# Allegro board WeChat_ZM_PART_20200601.brd (continued)
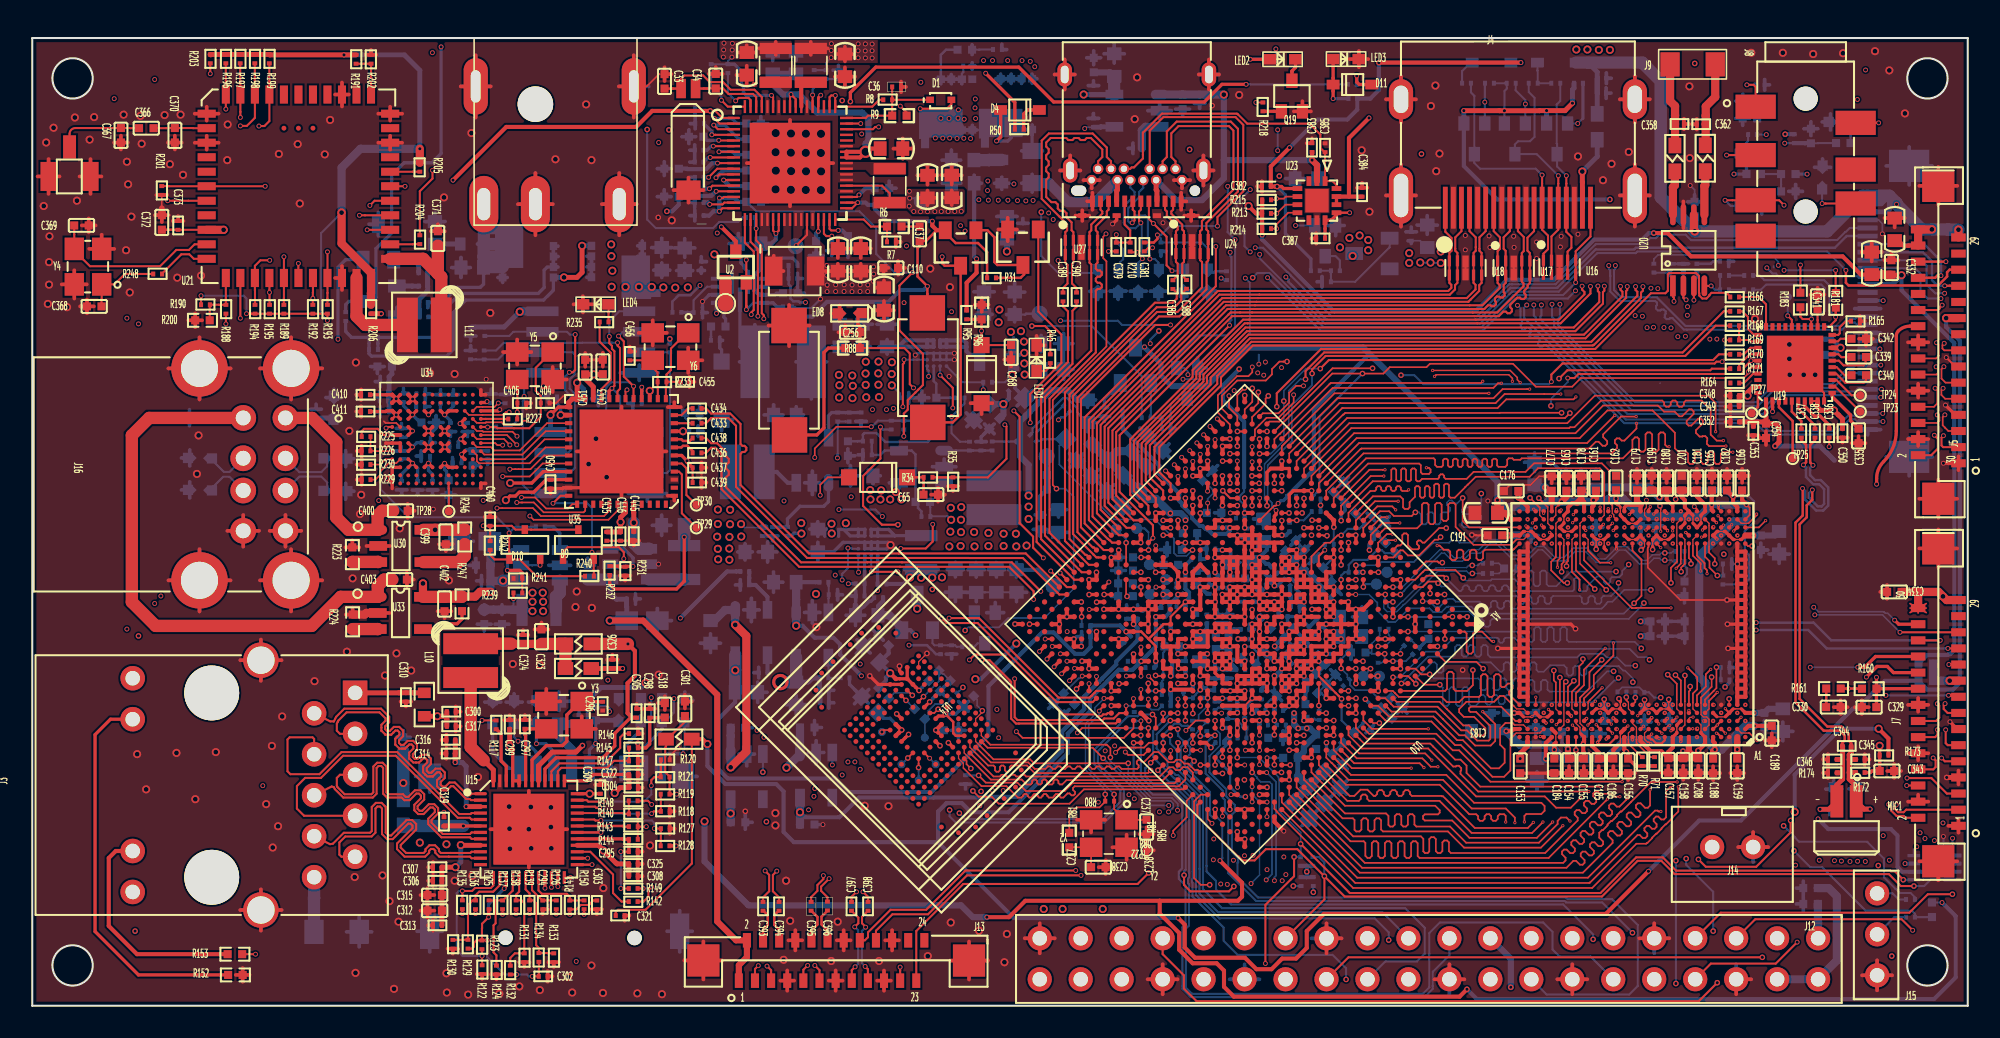
[diagram p0: board, top side]
## Routing (per net, layer and track width the routed paths; a pad name or vN(x,y) marks a point on that pad's centre or on a via; arc(x,y) is an arc through that point) (continued)
  SIG2 w0.229: 37.29,55.07 J1.5 ; J1.5 38.22,57 ; J1.5 36.37,57 ; 16.05,24.45 J16.H4 ; J16.H4 14.12,26.38 ; J16.H4 16.05,28.3 ; J16.H4 17.98,26.38 ; 12.1,29.45 J16.B4 ; J16.B4 13.08,30.42 ; J16.B4 13.08,28.47 ; J16.B4 14.06,29.45 ; J4.21 84.86,52.17 ; J4.21 85.79,50.24 ; J4.21 83.93,50.24 ; J4.21 84.86,48.31 ; 35.32,49.7 J1.3 ; J1.3 37.47,49.7 ; J1.3 36.39,51.63 ; J1.3 36.39,47.77 ; J16.H3 10.37,28.3 ; J16.H3 10.37,24.45 ; J16.H3 12.3,26.38 ; J16.H3 8.44,26.38 ; J14.2 106.69,10.77 ; J14.2 107.62,9.84 ; J14.2 106.69,8.91 ; 114.38,0.96 J15.1 ; J15.1 113.45,1.89 ; J15.1 115.31,1.89 ; 84.86,54.77 J4.22 ; J4.22 83.93,56.2 ; J4.22 84.86,57.63 ; J4.22 85.79,56.2 ; 69.16,1.64 J12.34 ; J12.34 71.01,1.64 ; J12.34 70.08,2.57 ; J12.39 63.39,4.18 ; J12.39 62.46,3.25 ; J12.39 61.54,4.18 ; J12.39 62.46,5.11 ; 71.28,50.69 J11.B12 ; J11.B12 70.78,51.19 ; J11.B12 71.78,51.19 ; J11.E1 73.58,57.74 ; J11.E1 72.32,57.74 ; J11.E1 72.95,56.81 ; J12.25 81.17,4.18 ; J12.25 79.32,4.18 ; J12.25 80.24,5.11 ; J12.14 95.48,2.57 ; J12.14 96.41,1.64 ; J12.14 94.56,1.64 ; J11.B1 66.18,51.19 ; J11.B1 65.68,50.69 ; J11.B1 65.18,51.19 ; J4.20 100.29,50.24 ; J4.20 99.36,52.17 ; J4.20 98.43,50.24 ; J4.20 99.36,48.31 ; 98.43,56.2 J4.23 ; J4.23 100.29,56.2 ; J4.23 99.36,57.63 ; 72.61,50.86 J11.E3 ; J11.E3 71.98,51.79 ; J11.E3 73.24,51.79 ; J11.E3 72.61,52.72 ; 14.18,20.15 J3.16 ; J3.16 12.9,21.43 ; J3.16 15.45,21.43 ; J16.H2 10.37,41.44 ; J16.H2 12.3,39.52 ; J16.H2 10.37,37.59 ; J16.H2 8.44,39.52 ; J11.E2 64.64,57.74 ; J11.E2 64.01,56.81 ; J11.E2 63.38,57.74 ; J1.6 28.42,57 ; J1.6 27.49,55.07 ; J1.6 26.57,57 ; 86.94,1.64 J12.20 ; J12.20 88.79,1.64 ; J12.20 87.86,2.57 ; J1.2 32.27,49.7 ; J1.2 31.19,47.77 ; J1.2 30.12,49.7 ; J1.2 31.19,51.63 ; J16.A4 16.68,29.45 ; J16.A4 15.7,30.42 ; J16.A4 14.72,29.45 ; J16.A4 15.7,28.47 ; 64.98,51.79 J11.E4 63.72,51.79 ; 14.12,39.52 J16.H1 ; J16.H1 16.05,37.59 ; J16.H1 17.98,39.52 ; J16.H1 16.05,41.44 ; J3.15 15.45,5.94 ; J3.15 14.18,7.21 ; J3.15 14.18,4.66 ; J3.15 12.9,5.94 ; J12.30 75.16,2.57 ; J12.30 74.24,1.64 ; J12.30 76.09,1.64
  GND w0.229: J14.2 107.62,9.84 ; J14.2 105.77,9.84 ; J14.2 106.69,8.91 ; J14.2 106.69,10.77 ; 12.1,29.45 J16.B4 ; J16.B4 14.06,29.45 ; J16.B4 13.08,28.47 ; J16.B4 13.08,30.42 ; J11.B12 71.78,51.19 ; J11.B12 71.28,50.69 ; J11.B12 70.78,51.19 ; 69.16,1.64 J12.34 ; J12.34 70.08,0.71 ; J12.34 71.01,1.64 ; J12.34 70.08,2.57 ; J4.21 85.79,50.24 ; J4.21 83.93,50.24 ; J4.21 84.86,52.17 ; J4.21 84.86,48.31 ; J12.9 100.56,5.11 ; J12.9 100.56,3.25 ; J12.9 101.49,4.18 ; J12.9 99.64,4.18 ; J11.E1 73.58,57.74 ; J11.E1 72.95,58.67 ; J11.E1 72.95,56.81 ; J11.E1 72.32,57.74 ; J12.20 87.86,2.57 ; J12.20 87.86,0.71 ; J12.20 86.94,1.64 ; J12.20 88.79,1.64 ; J1.5 38.22,57 ; J1.5 36.37,57 ; J1.5 37.29,58.93 ; J1.5 37.29,55.07 ; J16.H1 17.98,39.52 ; J16.H1 16.05,41.44 ; J16.H1 14.12,39.52 ; J16.H1 16.05,37.59 ; J12.25 81.17,4.18 ; J12.25 80.24,5.11 ; J12.25 79.32,4.18 ; J12.25 80.24,3.25 ; 99.36,54.77 J4.23 ; J4.23 100.29,56.2 ; J4.23 99.36,57.63 ; J4.23 98.43,56.2 ; J1.6 28.42,57 ; J1.6 27.49,55.07 ; J1.6 26.57,57 ; J1.6 27.49,58.93 ; 114.38,0.96 J15.1 ; J15.1 113.45,1.89 ; J15.1 115.31,1.89 ; J15.1 114.38,2.81 ; J1.2 32.27,49.7 ; J1.2 31.19,51.63 ; J1.2 30.12,49.7 ; J1.2 31.19,47.77 ; J12.6 105.64,2.57 ; J12.6 106.57,1.64 ; J12.6 105.64,0.71 ; 14.18,20.15 J3.16 ; J3.16 12.9,21.43 ; J3.16 15.45,21.43 ; J3.16 14.18,22.7 ; 95.48,0.71 J12.14 ; J12.14 94.56,1.64 ; J12.14 96.41,1.64 ; J12.14 95.48,2.57 ; J12.30 76.09,1.64 ; J12.30 75.16,0.71 ; J12.30 75.16,2.57 ; J12.30 74.24,1.64 ; 62.46,3.25 J12.39 ; J12.39 62.46,5.11 ; J12.39 61.54,4.18 ; J12.39 63.39,4.18 ; 65.18,51.19 J11.B1 ; J11.B1 66.18,51.19 ; J11.B1 65.68,50.69 ; 84.86,54.77 J4.22 ; J4.22 83.93,56.2 ; J4.22 85.79,56.2 ; J4.22 84.86,57.63 ; 71.98,51.79 J11.E3 ; J11.E3 72.61,52.72 ; J11.E3 72.61,50.86 ; J11.E3 73.24,51.79 ; J16.H4 17.98,26.38 ; J16.H4 14.12,26.38 ; J16.H4 16.05,24.45 ; J16.H4 16.05,28.3 ; 8.44,39.52 J16.H2 ; J16.H2 10.37,41.44 ; J16.H2 10.37,37.59 ; J16.H2 12.3,39.52 ; 35.32,49.7 J1.3 ; J1.3 36.39,51.63 ; J1.3 37.47,49.7 ; J1.3 36.39,47.77 ; J11.E2 64.64,57.74 ; J11.E2 64.01,58.67 ; J11.E2 64.01,56.81 ; J11.E2 63.38,57.74 ; J4.20 99.36,52.17 ; J4.20 100.29,50.24 ; J4.20 98.43,50.24 ; J4.20 99.36,48.31 ; 12.9,5.94 J3.15 ; J3.15 14.18,4.66 ; J3.15 15.45,5.94 ; J3.15 14.18,7.21 ; J16.A4 15.7,30.42 ; J16.A4 14.72,29.45 ; J16.A4 16.68,29.45 ; J16.A4 15.7,28.47 ; 8.44,26.38 J16.H3 ; J16.H3 12.3,26.38 ; J16.H3 10.37,28.3 ; J16.H3 10.37,24.45 ; J11.E4 64.35,52.72 ; J11.E4 64.98,51.79 ; J11.E4 63.72,51.79
  BOTTOM w0.102: v1(102.79,50.86) 103.06,50.59 103.06,50.28 ; 70.19,21.97 C97.2 ; J6.27 114.47,48.72 114.71,48.49 v1(114.71,47.86) ; 73.44,18.42 R100.1 ; C273.2 75.03,17.23 74.99,17.27 74.99,17.42 74.63,17.78 C286.2
  BOTTOM w0.127: C137.2 73.39,25.89 v2(73.33,25.96) ; R91.2 R93.2 67.34,26.51 67.33,26.5 R92.2 67.33,25.7 67.33,25.7 R94.2 ; C273.2 75.28,16.61 ; v2(71.05,26.42) 70.88,26.25 70.88,25.97 C261.2 ; R73.2 v2(105.72,27.39) ; C243.2 70.03,20.11 70.12,20.2 C262.2 C257.2 70.12,21.89 70.19,21.97 ; 76.39,30.18 C133.2 ; C222.2 80.26,26.94 80.27,26.94 80.61,26.6 ; C222.2 80.26,27.38 80.27,27.38 v2(80.69,27.8) 80.69,28.6 R78.2 ; C222.2 79.71,27.49 79.68,27.49 C221.2 ; v1(118.49,10.5) 118.49,9.89 118.01,9.4 118.01,9.12 118.32,8.81 U29.2 ; R108.2 72.87,33.51 v2(72.87,33.77) ; C229.2 79.49,17.8 79.57,17.72 R77.2 ; C112.2 75.21,21.09 75.17,21.12 v2(75.17,21.36) 75.17,21.6 75,21.77 74.98,21.77 ; 65.38,36.16 64.94,36.61 64.94,36.66 64.79,36.81 64.79,37.05 64.16,37.67 63.91,37.67 62.02,35.78 62.02,35.55 R110.2 ; C259.2 71.99,23.69 v2(71.95,23.66) ; 77.06,19.16 77.06,19.57 77.01,19.62 v2(77.01,20.45) ; 76.46,18.33 76.46,18.65 76.79,18.98 76.94,18.98 C228.2 ; 78.56,28.62 78.56,28.43 v2(78.39,28.25) ; 78.56,28.62 C219.2 ; 78.56,28.62 78.56,28.62 C220.2 ; C119.2 v1(76.56,15.37) ; 77.47,20.66 v2(77.47,20.9) ; C40.2 59.04,25.63 59.05,25.63 C47.2 C48.2 ; C285.2 77.63,18.3 v2(77.93,18.6) ; C247.2 77.71,16.98 v2(77.93,16.76) ; 73.35,18.32 73.52,18.49 73.8,18.49 73.86,18.42 C272.2 74.24,18.24 74.12,18.11 C286.2 ; 80.69,28.81 80.69,29.66 v2(80.7,29.67) ; C241.2 71.37,19.25 71.55,19.08 C271.2 71.96,19.11 72.13,19.28 72.13,19.31 v2(72.41,19.59) ; C107.2 72.96,24.12 v2(73.33,24.12) ; C226.2 81.57,21.9 ; C102.2 C101.2 ; C284.2 72.65,26.97 72.75,26.86 72.78,26.86 72.95,26.69 C279.2 ; C140.2 78.58,24.77 v2(78.85,25.04) ; v1(48.87,43.82) 48.31,43.26 47.36,43.26 47.29,43.33 C81.2 47.1,43.3 ; v2(80.23,19.06) 79.91,19.38 C230.2 C231.2 80.46,20.16 80.46,20.19 C232.2
  BOTTOM w0.152: U8.C2 U8.C3 ; U8.C2 U8.C1 54.86,40.46 v1(54.75,40.34) ; U8.C2 U8.B2 U8.B3 ; U8.C3 U8.C4 ; U8.C3 U8.B3 ; U8.C4 U8.B4 ; U8.C4 v1(57.17,40.46) ; U8.B4 U8.B3 ; U8.B4 v1(57.17,40.06) ; v2(77.93,21.36) 78.08,21.21 C235.2
  BOTTOM w0.203: v2(55.64,18.84) 55.83,19.03 55.83,19.06 56.25,19.47 ; C135.2 76.76,26.29 v2(77.01,26.04) 77.2,26.04 C142.2 77.62,26.46 78.1,26.46 78.36,26.19 78.36,25.8 78.38,25.8 78.58,25.6 C141.2 ; U9.10 41.97,44.08 v1(41.55,43.66) 41.55,43.31 ; 68.78,24.55 68.82,24.58 v2(69.2,24.58) 69.47,24.58 69.56,24.67 69.66,24.67 ; C67.2 C68.2 ; v2(75.18,28.71) 75.31,28.84 ; v5(48.62,23.47) 48.36,23.73 U5.2 ; v2(74.25,26.88) 74.25,26.6 74.29,26.56 C98.2 ; C90.2 52.2,25.28 52,25.08 51.91,25.08 51.56,24.73 51.51,24.73 51.04,24.26 ; C279.2 72.95,26.34 72.97,26.32 C283.2 73.2,26.09 v2(73.33,25.96) ; C113.2 60.93,38.29 61.06,38.16 ; R20.2 50.67,19.92 51.01,19.58 ; U3.C2 U3.C3 ; U3.C2 U3.C1 50.27,28.73 49.69,28.15 C38.2 ; U3.C2 U3.B2 U3.B3 ; U3.C3 U3.C4 ; U3.C3 U3.B3 ; v2(72.41,28.71) 72.22,28.91 72.22,29.28 R107.2 ; R113.2 73.79,30.63 v2(73.79,31.01) ; 101.66,22.91 102.1,22.91 102.1,22.92 ; 78.85,22.79 C99.2 78.82,22.74 C126.2 ; v2(77.47,20.9) 77.21,20.65 77.21,20.65 v2(77.01,20.45) ; U3.B3 U3.B4 ; R100.1 73.35,18.32 ; v2(73.08,16.01) 73.36,16.29 C248.2 73.35,16.3 ; U3.C4 53.05,28.73 v5(53.21,28.56) 52.97,28.32 52.43,28.32 U3.B4 ; U3.C4 U3.B4 ; 101.66,23.83 102.02,23.83 ; C44.2 45.65,29.13 C45.2 ; 70,19.92 C243.2 70.03,19.65 70.03,19.65 C244.2 ; U9.2 44.37,45.51 44.15,45.74 44.15,45.85 ; 75.28,16.61 C277.2 ; 93.77,33.7 94.23,33.7 C200.2 ; C234.2 78.62,21.82 78.56,21.88 ; C267.2 75.2,18.38 75.39,18.58 75.39,18.76 75.63,19 C121.2 75.86,19.02 75.89,18.99 C123.2 ; 25.04,35.81 24.86,35.64 v1(24.57,35.64) ; 70.37,27.92 70.14,27.7 C282.2 ; C170.2 93.51,16.97 C205.2 ; v2(56.62,18.08) 57.25,18.08 57.41,18.25 ; 76.46,18.33 C124.2 ; v2(72.87,20.9) 72.45,21.33 C100.2 ; 73.74,20.3 73.68,20.3 ; 33.29,18.88 33.6,18.88 33.6,18.88 33.89,18.59 C252.2 ; 44.21,11.8 v2(44.21,12.06) ; C223.2 80.54,26.1 v2(80.69,25.96) ; 59.03,35.46 58.83,35.26 C56.2 ; C246.2 v1(49.02,11.23) ; 96.52,32.83 96.47,32.83 ; U36.2 v1(38.83,27.38) ; C233.2 79.13,22.27 79.12,22.28 v2(78.85,22.28) ; v2(77.01,21.36) 76.97,21.36 76.81,21.52 ; 44.13,45.87 43.94,46.06 43.94,46.46 43.78,46.63 ; 95.61,32.83 95.53,32.83
  BOTTOM w0.229: C424.2 25.86,35.01 ; C424.2 25.86,34.35 ; C424.2 25.56,34.68 ; 25.38,31.68 C418.2 ; C418.2 25.81,32.11 ; C418.2 25.81,31.25 ; C418.2 26.24,31.68 ; C355.2 109.76,50.49 ; C355.2 109.33,50.07 ; C355.2 109.33,50.92 ; C355.2 108.9,50.49 ; 14.12,26.38 J16.H4 ; J16.H4 17.98,26.38 ; J16.H4 16.05,24.45 ; J16.H4 16.05,28.3 ; 92.51,33.7 C175.2 ; C175.2 93.77,33.7 ; C175.2 93.14,34.28 ; C175.2 93.14,33.12 ; C422.2 27.31,35.59 ; C422.2 26.98,35.29 ; C422.2 26.65,35.59 ; 46.73,18.67 C51.2 ; C51.2 47.36,18.09 ; C51.2 47.98,18.67 ; C51.2 47.36,19.24 ; C293.2 52.76,22.66 ; C293.2 52.76,23.27 ; C293.2 52.16,23.27 ; C293.2 52.16,22.66 ; 105.18,45.83 R184.1 105.48,46.16 ; 105.62,55.02 C356.1 ; C356.1 106.04,55.44 ; C356.1 106.04,54.59 ; C356.1 106.47,55.02 ; 40.34,13.24 J2.10 ; J2.10 40.34,15.19 ; J2.10 41.22,14.22 ; Q5.2 23.34,42.72 ; Q5.2 22.61,43.3 ; Q5.2 22.61,42.15 ; C118.2 79.61,12.05 ; C118.2 78.76,12.02 ; C118.2 79.58,11.2 ; C118.2 78.72,11.16 ; 44.75,50.82 C20.2 ; C20.2 45.18,50.39 ; C20.2 45.18,51.25 ; C20.2 45.61,50.82 ; 68.24,52.83 R211.2 ; R211.2 67.94,53.16 ; R211.2 68.24,53.49 ; 102.45,23.4 C187.2 ; C187.2 102.02,23.83 ; C187.2 102.45,24.26 ; C311.1 21.04,4.58 ; C311.1 20.27,5.51 ; C311.1 19.49,4.58 ; C311.1 20.27,3.65 ; 72.5,28.33 C287.2 ; C287.2 72.8,28 ; C287.2 72.8,28.65 ; J16.H1 17.98,39.52 ; J16.H1 16.05,41.44 ; J16.H1 14.12,39.52 ; J16.H1 16.05,37.59 ; U4.2 48.84,32.42 ; U4.2 47.89,32.42 ; U4.2 48.37,31.7 ; U4.2 48.37,33.15 ; R244.2 27.18,40.93 ; R244.2 26.85,40.63 ; R244.2 27.5,40.63 ; 67.52,24.55 R82.2 ; R82.2 68.18,24.55 ; R82.2 67.85,24.85 ; C161.2 96.95,33.26 ; C161.2 97.38,32.83 ; C161.2 96.52,32.83 ; C412.2 21.57,39.03 ; C412.2 21.57,38.37 ; C412.2 21.27,38.7 ; 72.38,55.64 C377.2 ; C377.2 72.7,55.94 ; C377.2 72.05,55.94 ; R1.2 50.31,58 ; R1.2 49.98,58.31 ; R1.2 49.66,58 ; C77.2 54.34,38.02 ; C77.2 54.65,37.69 ; C77.2 54.34,37.36 ; 64.01,56.81 J11.E2 ; J11.E2 64.64,57.74 ; J11.E2 64.01,58.67 ; J11.E2 63.38,57.74 ; C115.2 74.39,20.3 ; C115.2 74.07,20 ; C115.2 73.74,20.3 ; 48.6,14.97 U12.2 ; U12.2 49.08,15.7 ; U12.2 48.12,15.7 ; U12.2 48.6,16.43 ; 37.23,37.02 R234.2 ; R234.2 36.93,37.35 ; R234.2 37.23,37.67 ; ED11.2 111,52.5 ; ED11.2 110.5,51.99 ; ED11.2 111.5,51.99 ; ED21.2 70.31,44.31 ; ED21.2 69.32,44.31 ; ED21.2 69.82,43.79 ; 31.68,37.75 C447.2 ; C447.2 31.98,38.08 ; C447.2 31.98,37.42 ; ED5.2 31.76,18.83 ; ED5.2 31.26,19.34 ; ED5.2 30.77,18.83 ; C216.2 81.53,14.66 ; C216.2 81.53,15.27 ; C216.2 80.93,14.66 ; C216.2 80.93,15.27 ; 9.23,36.46 ED15.2 ; ED15.2 9.75,36.95 ; ED15.2 9.75,35.96 ; 49.39,19.23 C50.2 ; C50.2 49.39,19.89 ; C50.2 49.69,19.56 ; R89.2 64.28,18.37 ; R89.2 63.68,18.37 ; R89.2 63.68,17.76 ; 64.31,34.24 C145.2 ; C145.2 65.2,33.36 ; C145.2 64.35,33.39 ; C145.2 65.17,34.21 ; 22.58,31.98 C432.2 ; C432.2 22.9,31.68 ; C432.2 23.23,31.98 ; 57.43,18.26 C289.1 ; C289.1 57.43,18.87 ; C289.1 58.04,18.87 ; C289.1 58.04,18.26 ; C203.2 101.32,33.29 ; C203.2 100.89,32.86 ; C203.2 101.75,32.86 ; C203.2 101.32,32.43 ; 66.47,36.23 C92.2 ; C92.2 66.8,36.53 ; C92.2 66.14,36.53 ; C245.2 48.93,17.25 ; C245.2 48.5,16.82 ; C245.2 48.5,17.68 ; 70.08,0.71 J12.34 ; J12.34 70.08,2.57 ; J12.34 69.16,1.64 ; 45.59,27.51 C43.2 ; C43.2 45.02,28.14 ; C43.2 46.17,28.14 ; C43.2 45.59,28.77 ; C116.2 80.57,13.01 ; C116.2 79.72,12.97 ; C116.2 79.68,12.12 ; C116.2 80.53,12.16 ; 108.53,16.43 C167.2 ; C167.2 108.53,17.59 ; C167.2 107.91,17.01 ; C167.2 109.16,17.01 ; C292.2 51.95,21.87 ; C292.2 51.13,22.69 ; C292.2 51.1,21.84 ; C292.2 51.98,22.72 ; C375.2 65.8,57.35 ; C375.2 65.47,57.05 ; C375.2 66.13,57.05 ; 83.93,56.2 J4.22 ; J4.22 84.86,54.77 ; J4.22 84.86,57.63 ; J4.22 85.79,56.2 ; J16.H2 10.37,41.44 ; J16.H2 10.37,37.59 ; J16.H2 8.44,39.52 ; J16.H2 12.3,39.52 ; 73.03,20.3 C111.2 ; C111.2 73.68,20.3 ; C111.2 73.36,20 ; 8.44,26.38 J16.H3 ; J16.H3 10.37,28.3 ; J16.H3 12.3,26.38 ; J16.H3 10.37,24.45 ; C171.2 97.89,17.67 ; C171.2 97.03,17.67 ; C171.2 97.46,18.1 ; C94.2 70.89,35.77 ; C94.2 70.58,35.44 ; C94.2 70.58,36.1 ; 40.14,3.34 J2.11 ; J2.11 40.92,4.62 ; J2.11 40.14,5.89 ; J2.11 39.36,4.62 ; 96.69,16.87 C206.2 ; C206.2 97.12,16.44 ; C206.2 97.54,16.87 ; C347.2 110.24,40.78 ; C347.2 110.67,40.35 ; C347.2 109.81,40.35 ; C347.2 110.24,39.93 ; C425.2 24.11,34.41 ; C425.2 23.81,34.08 ; C425.2 24.11,33.75 ; 27.51,26.88 C457.2 ; C457.2 27.08,27.31 ; C457.2 27.51,27.73 ; R90.2 63.61,19.04 ; R90.2 63.61,18.43 ; R90.2 63.01,18.43 ; R90.2 63.01,19.04 ; 105.37,27.72 R73.2 105.37,27.06 ; 107.23,49.09 ED13.2 ; ED13.2 107.74,49.59 ; ED13.2 107.23,50.08 ; 21.46,47.73 Q6.3 ; Q6.3 21.46,49.19 ; Q6.3 20.88,48.46 ; J2.6 36.17,14.72 ; J2.6 35.64,15.69 ; J2.6 35.64,13.74 ; J2.6 35.11,14.72 ; D3.1 43.42,36.34 ; D3.1 42.74,37.01 ; D3.1 42.74,35.66 ; D3.1 42.06,36.34 ; 45.18,51.36 C30.2 ; C30.2 44.75,51.79 ; C30.2 45.61,51.79 ; C30.2 45.18,52.22 ; 44.2,16.81 C253.2 ; C253.2 44.63,17.24 ; C253.2 44.2,17.67 ; C135.2 77.06,26.12 ; C135.2 76.46,26.73 ; C135.2 76.46,26.12 ; C135.2 77.06,26.73 ; C426.2 22.89,36.1 ; C426.2 22.57,35.8 ; C426.2 23.22,35.8 ; C423.2 26.25,35.6 ; C423.2 25.6,35.6 ; C423.2 25.92,35.29 ; C376.2 78.87,51.29 ; C376.2 78.29,50.66 ; C376.2 77.72,51.29 ; C376.2 78.29,51.92 ; C214.2 81.61,32.8 ; C214.2 81,32.8 ; C214.2 81,32.19 ; C214.2 81.61,32.19 ; 26,45.77 C70.2 ; C70.2 26.58,45.14 ; C70.2 27.16,45.77 ; C70.2 26.58,46.4 ; 59.18,24.37 Q13.2 ; Q13.2 60.23,24.37 ; Q13.2 59.71,25 ; 72.81,19.71 C250.2 72.51,20.03 ; 47.45,44.6 C80.2 47.87,44.18 ; J1.6 27.49,58.93 ; J1.6 28.42,57 ; J1.6 27.49,55.07 ; J1.6 26.57,57 ; J1.5 38.22,57 ; J1.5 37.29,55.07 ; J1.5 36.37,57 ; J1.5 37.29,58.93 ; U38.4 38.81,39.25 ; U38.4 36.45,39.25 ; U38.4 37.63,39.72 ; U38.4 37.63,38.77 ; J11.E1 72.95,58.67 ; J11.E1 72.32,57.74 ; J11.E1 73.58,57.74 ; 103.3,14.02 C207.2 ; C207.2 103.3,14.87 ; C207.2 103.73,14.45 ; C207.2 102.87,14.45 ; 24.35,37.48 C416.2 24.66,37.15 ; R85.1 58.19,13.75 ; R85.1 57.53,13.75 ; R85.1 57.86,13.44 ; 79.16,27.41 C221.2 79.76,28.01 ; C380.2 71.75,55.59 ; C380.2 71.32,55.16 ; C380.2 70.9,55.59 ; C79.2 41.86,42.98 ; C79.2 41.55,43.31 ; C79.2 41.55,42.65 ; C146.2 70.47,34.84 ; C146.2 70.51,33.99 ; C146.2 69.62,34.88 ; 57.24,25.06 C39.2 ; C39.2 57.87,25.64 ; C39.2 56.61,25.64 ; 74.98,29.04 C275.2 75.64,29.04 ; 70.62,22.28 C97.2 70.19,22.71 ; C82.2 47.75,45.09 ; C82.2 47.44,44.76 ; C82.2 47.44,45.42 ; 28.06,18.83 ED7.2 ; ED7.2 29.05,18.83 ; ED7.2 28.55,19.34 ; 71.28,50.69 J11.B12 ; J11.B12 70.78,51.19 ; J11.B12 71.78,51.19 ; C95.2 59.64,35.46 ; C95.2 59.03,36.07 ; C95.2 59.03,35.46 ; C95.2 59.64,36.07 ; C442.2 27.35,28.8 ; C442.2 26.47,28.05 ; C442.2 26.47,29.55 ; C442.2 25.59,28.8 ; C89.2 51.62,24.21 ; C89.2 51.04,23.58 ; C89.2 50.46,24.21 ; C327.2 97.9,57.51 ; C327.2 97.59,57.84 ; C327.2 97.59,57.18 ; C408.2 25.04,36.59 ; C408.2 25.46,36.17 ; C408.2 25.04,35.81 ; C408.2 24.61,36.17 ; 107.17,27.83 C192.2 ; C192.2 107.17,28.68 ; C192.2 107.6,28.26 ; R228.2 29.32,38.2 ; R228.2 28.99,37.9 ; R228.2 29.65,37.9 ; 41.08,50.98 C21.1 40.78,50.66 ; 100.66,29.33 C197.2 ; C197.2 101.09,29.76 ; C197.2 100.23,29.76 ; 55.81,33.42 U6.2 ; U6.2 56.54,33.9 ; U6.2 57.27,33.42 ; 63.37,39.45 C68.2 ; C68.2 64.53,39.45 ; C68.2 63.95,38.83 ; 67.32,43.8 ED24.2 ; ED24.2 67.82,44.31 ; ED24.2 66.82,44.31 ; 39.18,51.47 C32.2 ; C32.2 39.61,51.9 ; C32.2 39.18,52.33 ; C32.2 38.76,51.9 ; C195.2 93.35,29.16 ; C195.2 92.5,29.16 ; C195.2 92.92,29.59 ; C195.2 92.92,28.74 ; 73.28,19.89 C122.2 72.98,19.56 ; 79.66,44.89 C88.2 ; C88.2 79.96,45.21 ; C88.2 79.96,44.56 ; ED19.2 19.43,32.4 ; ED19.2 19.94,31.9 ; ED19.2 19.43,31.4 ; 44.3,14.88 U13.2 ; U13.2 43.82,15.6 ; U13.2 44.3,16.33 ; U13.2 44.78,15.6 ; C23.1 41.1,55.8 ; C23.1 41.1,55.15 ; C23.1 40.79,55.48 ; 32.66,18.3 C251.2 ; C251.2 32.03,18.88 ; C251.2 33.29,18.88 ; C251.2 32.66,19.45 ; C218.2 82.44,24.74 ; C218.2 83.02,24.11 ; C218.2 81.86,24.11 ; C18.1 41.1,55.03 ; C18.1 41.1,54.37 ; C18.1 40.8,54.7 ; 102.44,24.98 C150.1 ; C150.1 102.44,25.83 ; C150.1 102.01,25.41 ; C453.2 39.6,29.79 ; C453.2 39.02,30.42 ; C453.2 38.44,29.79 ; C453.2 39.02,29.16 ; 102.36,14.02 C158.2 ; C158.2 102.36,14.87 ; C158.2 102.79,14.45 ; C158.2 101.93,14.45 ; C461.2 27.51,41.53 ; C461.2 26.85,41.53 ; C461.2 27.18,41.22 ; C128.2 77.8,21.54 ; C128.2 77.82,21.99 ; C128.2 77.36,21.52 ; 109.85,54.38 C359.2 ; C359.2 110.27,54.81 ; C359.2 110.7,54.38 ; C359.2 110.27,53.95 ; 59.15,34.98 C56.2 58.5,34.98 ; 95.61,32.83 C198.2 ; C198.2 96.47,32.83 ; C198.2 96.04,33.26 ; 76.81,21.52 C239.2 76.2,22.13 ; 86.49,47.83 C86.2 ; C86.2 87.11,48.41 ; C86.2 85.86,48.41 ; C86.2 86.49,48.98 ; 102.45,23.34 C164.2 102.45,22.49 ; C449.1 35.1,38.05 ; C449.1 35.1,37.2 ; C449.1 34.67,37.63 ; C63.2 59.01,44.84 ; C63.2 58.38,44.27 ; C63.2 59.64,44.27 ; C63.2 59.01,43.69 ; 68.68,35.82 C144.2 69.57,34.93 ; 71.38,43.81 ED26.2 ; ED26.2 70.88,44.33 ; ED26.2 71.88,44.33 ; 79.94,20.25 C231.2 80.54,19.64 ; 90.06,18.17 C168.2 ; C168.2 90.92,18.17 ; C168.2 90.49,17.74 ; C169.2 107.82,17.26 ; C169.2 107.39,17.69 ; C169.2 107.39,16.83 ; 34.01,27.32 C452.2 ; C452.2 34.44,27.75 ; C452.2 34.87,27.32 ; C143.2 68.05,30.49 ; C143.2 67.16,31.37 ; C143.2 67.19,30.52 ; C143.2 68.01,31.34 ; J1.3 36.39,51.63 ; J1.3 35.32,49.7 ; J1.3 36.39,47.77 ; J1.3 37.47,49.7 ; 27.3,33.06 C417.2 ; C417.2 27.73,33.49 ; C417.2 27.3,33.92 ; C58.2 51,34.1 ; C58.2 50.57,34.53 ; C58.2 50.57,33.67 ; ED10.2 111.69,13.95 ; ED10.2 111.2,13.44 ; ED10.2 112.19,13.44 ; 87.86,0.71 J12.20 ; J12.20 87.86,2.57 ; J12.20 88.79,1.64 ; 72.71,27.69 C281.2 72.41,28.02 ; 48.7,27.58 C38.2 ; C38.2 48.7,28.73 ; C38.2 48.08,28.15 ; 109.8,6.87 C392.1 ; C392.1 109.38,7.3 ; C392.1 109.8,7.72 ; C212.2 84.15,30.33 ; C212.2 83.54,29.73 ; C212.2 84.15,29.73 ; C212.2 83.54,30.33 ; C93.2 57.33,21.8 ; C93.2 57,21.5 ; C93.2 56.67,21.8 ; C378.2 65.81,59.2 ; C378.2 65.81,58.35 ; C378.2 65.38,58.77 ; C378.2 66.24,58.77 ; J15.1 114.38,2.81 ; J15.1 114.38,0.96 ; J15.1 113.45,1.89 ; J15.1 115.31,1.89 ; J4.23 99.36,57.63 ; J4.23 100.29,56.2 ; J4.23 98.43,56.2 ; J4.23 99.36,54.77 ; R91.2 67.34,28.23 ; R91.2 67.77,27.8 ; R91.2 66.91,27.8 ; 45.18,54.28 C24.2 ; C24.2 45.61,54.71 ; C24.2 44.75,54.71 ; C24.2 45.18,55.13 ; 77.96,21.88 C126.2 ; C126.2 78.56,21.88 ; C126.2 77.96,22.48 ; C406.2 28.45,38.24 ; C406.2 28.78,37.93 ; C406.2 28.12,37.93 ; 99.95,17.17 C174.2 ; C174.2 99.52,17.6 ; C174.2 100.38,17.6 ; C174.2 99.95,18.02 ; 27.91,33.86 C419.2 ; C419.2 28.57,33.86 ; C419.2 28.24,33.56 ; 96.95,29.23 C172.2 ; C172.2 96.95,30.09 ; C172.2 96.52,29.66 ; C172.2 97.38,29.66 ; 50.7,42.25 C76.2 50.07,42.83 ; 78.6,27.98 C220.2 79.2,28.58 ; 45.04,20.32 C61.2 ; C61.2 45.04,20.98 ; C61.2 44.74,20.65 ; 84.64,18.14 C210.2 ; C210.2 85.24,18.14 ; C210.2 85.24,18.75 ; C210.2 84.64,18.75 ; 40.77,53.05 C35.1 ; C35.1 41.07,52.72 ; C35.1 41.07,53.38 ; C78.2 24.96,49.2 ; C78.2 24.34,48.62 ; C78.2 24.96,48.04 ; C78.2 25.59,48.62 ; 48.6,46.09 C14.2 ; C14.2 48.6,46.94 ; C14.2 49.03,46.51 ; C14.2 48.17,46.51 ; C200.2 95.53,32.83 ; C200.2 95.1,32.41 ; C200.2 95.1,33.26 ; C200.2 94.67,32.83 ; C170.2 93.65,17.27 ; C170.2 92.79,17.27 ; C170.2 93.22,16.84 ; C170.2 93.22,17.69 ; C72.2 39.66,47.01 ; C72.2 38.4,47.01 ; C72.2 39.03,46.43 ; C72.2 39.03,47.59 ; 43.6,26.09 R30.2 ; R30.2 43.9,25.76 ; R30.2 43.9,26.42 ; 41.37,36.34 C454.2 ; C454.2 41.8,36.77 ; C454.2 41.37,37.2 ; C454.2 40.95,36.77 ; 111.49,54.3 ED14.2 ; ED14.2 110.98,54.8 ; ED14.2 111.49,55.3 ; 33.39,27.31 U39.2 32.03,27.31 ; 50.98,18.73 C290.2 ; C290.2 51.87,19.61 ; C290.2 51.01,19.58 ; C290.2 51.83,18.76 ; 49.39,18.46 C52.2 ; C52.2 49.69,18.78 ; C52.2 49.39,19.11 ; D6.1 62.02,38.16 ; D6.1 61.06,37.2 ; D6.1 61.06,38.16 ; 69.99,24.97 C270.2 69.66,24.67 ; 63.37,41.06 C67.2 ; C67.2 64.53,41.06 ; C67.2 63.95,41.68 ; 43.78,46.63 C3.1 ; C3.1 43.78,47.88 ; C3.1 44.36,47.26 ; C3.1 43.2,47.26 ; 62.06,29.53 C55.2 ; C55.2 62.48,29.11 ; C55.2 62.91,29.53 ; 66.25,31.49 C132.2 ; C132.2 66.22,32.34 ; C132.2 67.11,31.45 ; C132.2 67.07,32.3 ; 40.96,18.94 ED1.2 40.46,19.46 ; C421.2 26.44,37.89 ; C421.2 25.78,37.89 ; C421.2 26.11,38.19 ; 52.37,42.26 C62.2 ; C62.2 53.63,42.26 ; C62.2 53,42.83 ; U5.2 48.84,24.38 ; U5.2 48.36,25.11 ; U5.2 47.88,24.38 ; 28.02,23.23 C459.2 ; C459.2 28.45,23.66 ; C459.2 27.59,23.66 ; 80.64,13.08 C117.2 ; C117.2 80.67,13.93 ; C117.2 81.52,13.97 ; C117.2 81.49,13.11 ; C428.2 22.86,34.71 ; C428.2 22.53,34.4 ; C428.2 23.18,34.4 ; ED20.2 19.94,33.92 ; ED20.2 19.43,34.41 ; ED20.2 19.43,33.42 ; 45.96,25.64 C49.2 ; C49.2 45.96,26.89 ; C49.2 45.38,26.26 ; C49.2 46.54,26.26 ; J11.E4 64.35,52.72 ; J11.E4 64.98,51.79 ; J11.E4 63.72,51.79 ; 53.1,49.67 C13.1 52.8,50 ; C194.2 101.9,17.67 ; C194.2 101.47,17.24 ; C194.2 101.05,17.67 ; C194.2 101.47,18.1 ; J16.A4 16.68,29.45 ; J16.A4 15.7,28.47 ; J16.A4 15.7,30.42 ; J16.A4 14.72,29.45 ; 114.6,43.22 J6.16 112.99,43.22 ; 38.75,50.17 C22.2 ; C22.2 39.61,50.17 ; C22.2 39.18,50.59 ; C22.2 39.18,49.74 ; C413.2 21.54,38.1 ; C413.2 21.24,37.77 ; C413.2 21.54,37.44 ; C152.2 93.92,13.94 ; C152.2 93.29,14.51 ; C152.2 92.67,13.94 ; C152.2 93.29,13.36 ; U37.4 39.31,31.76 ; U37.4 38.14,32.24 ; U37.4 36.96,31.76 ; U37.4 38.14,31.28 ; 51.05,25.08 C46.2 ; C46.2 51.05,25.73 ; C46.2 50.75,25.41 ; 80.21,23.76 C129.2 80.19,23.31 ; C441.2 39.64,23.88 ; C441.2 38.76,23.13 ; C441.2 38.76,24.63 ; C441.2 37.88,23.88 ; ED9.2 113.63,13.45 ; ED9.2 112.64,13.45 ; ED9.2 113.13,13.96 ; C16.2 51,46.81 ; C16.2 50.57,47.24 ; C16.2 50.57,46.39 ; C16.2 50.15,46.81 ; J2.13 24.64,15.19 ; J2.13 25.52,14.22 ; J2.13 23.76,14.22 ; J2.13 24.64,13.24 ; 44.75,53.73 C17.2 ; C17.2 45.18,53.31 ; C17.2 45.61,53.73 ; C17.2 45.18,54.16 ; 73.46,24.56 C104.2 73.78,24.26 ; 81.14,25.94 C224.2 81.15,25.5 ; J12.25 80.24,5.11 ; J12.25 79.32,4.18 ; J12.25 81.17,4.18 ; C19.2 41.14,53.88 ; C19.2 40.28,53.88 ; C19.2 40.71,53.45 ; C19.2 40.71,54.31 ; 116.37,32.86 J6.32 ; J6.32 116.37,35.21 ; J6.32 114.94,34.03 ; J6.32 117.8,34.03 ; 65.18,51.19 J11.B1 ; J11.B1 66.18,51.19 ; J11.B1 65.68,50.69 ; 99.36,48.31 J4.20 ; J4.20 100.29,50.24 ; J4.20 98.43,50.24 ; J4.20 99.36,52.17 ; C328.1 97.88,56.59 ; C328.1 97.58,56.26 ; C328.1 97.58,56.91 ; C87.2 85.5,48.28 ; C87.2 85.82,47.98 ; C87.2 85.17,47.98 ; C364.2 103.49,49.85 ; C364.2 102.64,49.85 ; C364.2 103.06,50.28 ; 66.9,25.39 R94.2 67.33,24.96 ; C60.2 45.56,19.43 ; C60.2 44.98,20.06 ; C60.2 44.98,18.81 ; C60.2 44.4,19.43 ; C196.2 101.23,23.34 ; C196.2 101.23,22.49 ; C196.2 101.66,22.91 ; C196.2 100.8,22.91 ; 105.64,2.57 J12.6 106.57,1.64 ; ED25.2 66.55,44.3 ; ED25.2 66.06,43.78 ; ED25.2 65.56,44.3 ; 46.73,59.18 C1.1 ; C1.1 47.98,59.18 ; C1.1 47.35,58.6 ; C15.1 49.9,46.81 ; C15.1 49.24,46.81 ; C15.1 49.57,46.51 ; 72.87,43.81 ED23.2 ; ED23.2 72.37,44.33 ; ED23.2 73.36,44.33 ; J12.14 96.41,1.64 ; J12.14 95.48,2.57 ; J12.14 94.56,1.64 ; 73.79,24.26 C103.2 ; C103.2 74.12,24.56 ; C103.2 74.45,24.26 ; C73.2 41.08,46.98 ; C73.2 39.82,46.98 ; C73.2 40.45,47.56 ; C73.2 40.45,46.4 ; 55.98,19.21 C288.1 ; C288.1 56.59,19.81 ; C288.1 56.59,19.21 ; 77.82,23.81 C139.2 78.12,24.14 ; C448.2 41.58,35.62 ; C448.2 41.28,35.95 ; C448.2 41.28,35.29 ; 9.77,33.47 ED17.2 ; ED17.2 9.25,33.97 ; ED17.2 9.77,34.46 ; 56.42,50.99 C83.2 ; C83.2 57,51.62 ; C83.2 57,50.37 ; C83.2 57.58,50.99 ; 75.71,30.18 C133.2 76.34,29.61 ; 65.47,55.02 R212.2 ; R212.2 65.79,55.32 ; R212.2 66.12,55.02 ; C217.2 83.14,16.94 ; C217.2 83.15,17.39 ; C217.2 82.69,16.93 ; 81.76,21.47 C149.1 81.76,22.33 ; C431.2 25.14,31.98 ; C431.2 24.49,31.98 ; C431.2 24.81,31.67 ; 77.47,18.9 C228.2 76.86,19.51 ; 57.41,16.65 C291.2 ; C291.2 56.99,17.07 ; C291.2 57.41,17.5 ; C291.2 57.84,17.07 ; 26.06,33.99 C430.2 26.06,33.33 ; 60.28,44.25 C64.2 ; C64.2 61.54,44.25 ; C64.2 60.91,43.67 ; C64.2 60.91,44.83 ; C458.2 29.55,23.66 ; C458.2 29.12,23.23 ; C458.2 28.7,23.66 ; 99.74,29.33 C193.2 ; C193.2 100.16,29.76 ; C193.2 99.31,29.76 ; C59.2 42.05,23.06 ; C59.2 41.42,22.48 ; C59.2 42.05,21.9 ; C59.2 42.68,22.48 ; 116.37,50.89 J6.31 ; J6.31 117.8,52.07 ; J6.31 114.94,52.07 ; J6.31 116.37,53.25 ; 41.48,46.44 C74.2 41.81,46.14 ; 58.53,25.05 C40.2 57.9,25.63 ; 112.99,41.72 J6.13 114.6,41.72 ; C215.2 83.21,30.51 ; C215.2 82.77,30.53 ; C215.2 83.23,30.07 ; 65.29,32.43 C147.2 ; C147.2 66.11,33.24 ; C147.2 66.14,32.39 ; C147.2 65.25,33.28 ; 29.38,18.83 ED6.2 ; ED6.2 29.87,19.34 ; ED6.2 30.37,18.83 ; C31.1 41.08,49.32 ; C31.1 40.78,48.99 ; C31.1 41.08,48.66 ; 49.93,25.15 R17.2 ; R17.2 49.93,25.81 ; R17.2 50.23,25.48 ; C41.2 45.96,37.26 ; C41.2 45.39,36.63 ; C41.2 46.54,36.63 ; C41.2 45.96,36.01 ; 109.38,6.32 C391.1 ; C391.1 109.8,5.89 ; C391.1 109.8,6.74 ; 68.07,44.31 ED22.2 ; ED22.2 68.57,43.79 ; ED22.2 69.07,44.31 ; 107.23,52.31 ED12.2 ; ED12.2 107.23,53.31 ; ED12.2 107.74,52.81 ; R113.2 73.73,30.99 ; R113.2 73.3,30.56 ; R113.2 73.73,30.13 ; 65.06,22.55 C260.2 ; C260.2 64.76,22.88 ; C260.2 65.06,23.21 ; C75.2 52.1,42.26 ; C75.2 51.47,42.84 ; C75.2 50.84,42.26 ; 107.41,56.77 R186.2 ; R186.2 107.41,57.43 ; R186.2 107.71,57.1 ; 102.69,46 C360.1 102.04,46 ; J11.E3 72.61,52.72 ; J11.E3 71.98,51.79 ; J11.E3 73.24,51.79 ; J11.E3 72.61,50.86 ; 61.02,25.06 C48.2 61.65,25.63 ; C108.2 58.8,35.87 ; C108.2 57.91,36.76 ; C108.2 57.95,35.91 ; C108.2 58.77,36.72 ; U7.2 45.06,24.54 ; U7.2 44.11,24.54 ; U7.2 44.59,23.81 ; U7.2 44.59,25.27 ; C320.2 23.01,17.07 ; C320.2 23.43,16.64 ; C320.2 22.58,16.64 ; 45.9,28.82 C45.2 46.23,29.13 ; C53.2 50.73,33.49 ; C53.2 51.3,32.86 ; C53.2 50.73,32.23 ; C53.2 50.15,32.86 ; J2.12 25.42,4.62 ; J2.12 24.64,5.89 ; J2.12 23.86,4.62 ; J2.12 24.64,3.34 ; 21.4,39.2 C409.2 ; C409.2 21.82,39.63 ; C409.2 20.97,39.63 ; C12.2 53.13,51.12 ; C12.2 53.56,50.69 ; C12.2 52.7,50.69 ; C12.2 53.13,50.26 ; 105.63,56.09 R176.1 ; R176.1 106.05,55.66 ; R176.1 106.05,56.52 ; R176.1 106.48,56.09 ; 80.28,48.38 Q12.2 ; Q12.2 80.81,49 ; Q12.2 80.81,47.75 ; Q12.2 81.34,48.38 ; J12.30 75.16,2.57 ; J12.30 74.24,1.64 ; J12.30 76.09,1.64 ; U22.2 69.9,55.97 ; U22.2 70.63,55.5 ; U22.2 69.9,55.02 ; U22.2 69.17,55.5 ; 101.86,46 C357.1 101.2,46 ; 51.06,36.23 R14.2 ; R14.2 51.71,36.23 ; R14.2 51.38,35.93 ; C125.2 61.05,48.94 ; C125.2 59.8,48.94 ; C125.2 60.43,48.36 ; 70.37,27.92 R111.2 ; R111.2 69.94,28.28 ; R111.2 70.37,28.7 ; C54.2 64.25,29.35 ; C54.2 63.63,28.78 ; C54.2 63,29.35 ; C401.2 17.92,36.99 ; C401.2 17.6,37.29 ; C401.2 17.27,36.99 ; C414.2 24.37,38.27 ; C414.2 24.37,37.62 ; C414.2 24.67,37.94 ; 44.75,49.85 C26.2 ; C26.2 45.61,49.85 ; C26.2 45.18,50.27 ; J3.16 14.18,22.7 ; J3.16 12.9,21.43 ; J3.16 14.18,20.15 ; J3.16 15.45,21.43 ; C415.2 21.57,37.15 ; C415.2 21.27,36.83 ; C415.2 21.57,36.5 ; 45.28,59.18 C2.1 ; C2.1 46.54,59.18 ; C2.1 45.91,58.6 ; C440.2 37.4,25.55 ; C440.2 37.4,24.89 ; C440.2 37.7,25.22 ; C66.2 55.16,38.12 ; C66.2 54.73,37.7 ; C66.2 55.58,37.7 ; C66.2 55.16,37.27 ; 71.5,21.67 C255.2 71.18,21.37 ; 41.07,49.48 C25.1 40.77,49.81 ; 70.14,27.77 70.14,27.7 ; 44.75,52.76 C28.2 ; C28.2 45.61,52.76 ; C28.2 45.18,52.33 ; C28.2 45.18,53.19 ; 78.64,29.14 C219.2 78.04,28.54 ; J16.B4 13.08,30.42 ; J16.B4 14.06,29.45 ; J16.B4 12.1,29.45 ; J16.B4 13.08,28.47 ; 67.47,22.76 C263.2 67.49,22.31 ; 75.77,23.34 C105.2 75.47,23.66 ; C420.2 25.64,37.89 ; C420.2 25.31,38.19 ; C420.2 24.99,37.89 ; J14.2 106.69,10.77 ; J14.2 106.69,8.91 ; J14.2 107.62,9.84 ; J14.2 105.77,9.84 ; 73.49,33.49 R108.2 72.89,32.89 ; 61.54,4.18 J12.39 ; J12.39 62.46,3.25 ; J12.39 63.39,4.18 ; C114.2 74.98,21.77 ; C114.2 75.28,21.44 ; C114.2 74.98,21.11 ; J4.21 84.86,52.17 ; J4.21 85.79,50.24 ; J4.21 84.86,48.31 ; J4.21 83.93,50.24 ; 78.58,24.42 C140.2 78.88,24.75 ; C134.2 74.88,27.49 ; C134.2 74.3,28.12 ; C134.2 73.72,27.49 ; 9.25,31.98 ED18.2 ; ED18.2 9.77,31.49 ; ED18.2 9.77,32.48 ; 79.77,22.89 C130.2 79.33,22.87 ; 60.12,59.61 R51.2 60.42,59.29 ; J1.2 31.19,51.63 ; J1.2 32.27,49.7 ; J1.2 30.12,49.7 ; 23.57,31.97 C427.2 ; C427.2 24.22,31.97 ; C427.2 23.89,31.67 ; 100.8,23.83 C173.2 ; C173.2 101.23,23.4 ; C173.2 101.66,23.83 ; C173.2 101.23,24.26 ; 23.02,38.27 C429.2 23.34,37.97 ; 18.21,37.71 ED16.2 ; ED16.2 19.2,37.71 ; ED16.2 18.7,38.22 ; 66.06,36.16 C91.2 65.43,35.58 ; 51.2,34.15 R28.2 ; R28.2 51.5,33.83 ; R28.2 51.5,34.48 ; C407.2 24.69,35.24 ; C407.2 24.69,34.58 ; C407.2 24.99,34.91 ; 41.07,52.63 C27.1 40.77,52.31 ; 80.5,20.83 C232.2 81.1,20.22 ; 110.3,41.33 C351.2 110.6,41 ; C131.2 61.75,48.51 ; C131.2 61.09,48.51 ; C131.2 61.42,48.82 ; 113.79,35.4 J6.1 ; J6.1 112.99,35.72 ; J6.1 114.6,35.72 ; 67.08,58.45 C374.2 ; C374.2 67.08,59.6 ; C374.2 66.45,59.02 ; C374.2 67.71,59.02 ; 70.3,46.78 R209.2 69.98,46.47 ; C254.2 44.64,11.37 ; C254.2 44.21,10.95 ; C254.2 44.21,11.8 ; 79.12,22.46 C99.2 78.52,23.06 ; 74.86,25.05 C138.2 75.16,24.72 ; 108.31,27.43 C190.2 ; C190.2 107.68,28.01 ; C190.2 108.31,28.59 ; C190.2 108.93,28.01 ; C85.2 56.98,53.06 ; C85.2 56.41,52.43 ; C85.2 56.98,51.8 ; C85.2 57.56,52.43 ; 12.9,5.94 J3.15 ; J3.15 14.18,7.21 ; J3.15 15.45,5.94 ; J3.15 14.18,4.66 ; 27.55,26.35 C444.2 ; C444.2 27.85,26.02 ; C444.2 27.85,26.67 ; R67.2 105.53,20.97 ; R67.2 105.23,21.3 ; R67.2 105.23,20.64 ; 100.56,3.25 J12.9 ; J12.9 101.49,4.18 ; J12.9 100.56,5.11 ; 72.25,40.17 Q14.2 72.78,39.54 ; 77.44,20.72 C106.2 76.98,20.25 ; 66.91,26.99 R93.2 67.77,26.99 ; R112.2 77.54,17.04 ; R112.2 77.54,16.19 ; R112.2 77.97,16.62 ; 68.2,24.55 C242.2 68.53,24.85 ; 24.83,43.61 R40.2 24.53,43.28 ; 41.08,51.03 C29.1 40.78,51.36
  BOTTOM w0.254: C250.2 72.51,19.68 v2(72.41,19.59) ; C263.2 67.57,22.53 v2(67.36,22.74) ; C213.2 v2(82.5,26.88) ; v10(91.8,26.83) 92.08,27.11 C148.1
  BOTTOM w0.356: 102.1,22.92 C164.2 ; 51.04,24.26 51.04,24.84 ; 68.78,24.55 68.86,24.55 ; 75.31,28.84 C275.2 ; 65.38,36.16 C91.2 ; 81.57,21.9 C149.1
  vias: v1(21.92,34.68) v1(24.87,30.79) v1(28.14,38.84) v1(31.7,38.44) v1(44.75,57.13) v1(56.85,39.02) v1(70.1,48.54) v1(88.85,47.76) v1(88.85,46.87) v1(90.25,31.3) v1(90.32,47.73) v1(90.37,47.02) v1(91.85,47.71) v1(91.87,47.02) v1(93.27,47.35) v1(93.27,46.33) v1(94.74,47.05) v1(94.79,47.71) v1(95.83,47.83) v2(38.81,48.87) v2(73.15,55.81) v2(88.69,20.81) v5(0.71,49.59) v5(0.86,53.52) v5(1.04,46.11) v5(1.04,44.71) v5(0.97,43.52) v5(1.07,47.71) v5(1.32,54.44) v5(2.16,43.31) v5(2.64,55.07) v5(2.77,49.92) v5(3.56,53.7) v5(3.84,55.1) v5(5.66,55.25) v5(5.82,46.84) v5(5.87,52.33) v5(5.94,50.93) v5(6.05,44.23) v5(6.15,48.93) v5(6.5,15.6) v5(6.71,55.17) v5(6.78,53.45) v5(7.06,13.42) v5(8.2,55.22) v5(8.53,52.18) v5(8.94,15.68) v5(8.99,45.14) v5(9.19,55.25) v5(9.35,51.52) v5(10.11,12.81) v5(10.21,32.97) v5(10.31,35.36) v5(10.46,45.27) v5(11.38,15.73) v5(12.12,54.64) v5(12.09,52.43) v5(14.5,12.5) v5(14.86,16.11) v5(14.91,9.81) v5(15.24,11.13) v5(15.29,52.81) v5(15.49,17.94) v5(16.46,53.42) v5(16.59,49.74) v5(17.5,20.12) v5(18.14,52.79) v5(18.47,54.92) v5(19.51,21.95) v5(19.66,35.64) v5(19.86,26.5) v5(19.99,7.98) v5(20.04,2.04) v5(20.07,39.88) v5(20.32,30.49) v5(20.4,31.68) v5(21.72,8.08) v5(21.87,20.48) v5(22.15,6.48) v5(22.43,1.05) v5(22.58,21.85) v5(22.71,5.21) v5(22.78,29.6) v5(23.5,20.78) v5(24.03,10.11) v5(24.66,39.22) v5(25.53,50.12) v5(25.68,10.01) v5(25.68,2.01) v5(25.7,0.82) v5(25.83,26.37) v5(26.19,39.17) v5(26.19,7.75) v5(27.03,0.69) v5(27.23,54.11) v5(27.28,8.06) v5(27.64,14.18) v5(28.4,42.96) v5(28.96,0.74) v5(29.57,12.35) v5(29.59,10.98) v5(29.62,9.73) v5(29.79,21.19) v5(30.2,1.2) v5(30.91,12.32) v5(30.94,9.76) v5(31.47,21.14) v5(31.47,0.97) v5(32.16,12.3) v5(32.16,11.08) v5(32.18,9.76) v5(32.44,52.48) v5(33.22,1.78) v5(33.48,0.82) v5(33.68,24.72) v5(33.76,25.68) v5(34.34,55.89) v5(34.49,33.58) v5(34.67,52.43) v5(34.7,24.67) v5(34.67,2.49) v5(34.95,35.16) v5(35.41,7.3) v5(35.38,0.79) v5(35.61,32.77) v5(37.52,0.77) v5(38.3,9.94) v5(38.84,20.53) v5(39.04,0.72) v5(39.65,48.7) v5(46.08,11.94) v5(46.08,11.18) v5(46.58,2.85) v5(46.74,7.75) v5(46.99,5.26) v5(49.53,2.77) v5(49.94,5.21) v5(51.61,12.4) v5(52.5,2.77) v5(53.09,12.38) v5(55.52,3.08) v5(55.68,45.7) v5(56.9,44.56) v5(56.95,5.16) v5(58.7,4.65) v5(60.27,2.7) v5(60.43,4.45) v5(68.35,54.97) v5(68.5,57.56) v5(74.83,56.47) v5(82.42,53.04) v5(82.91,49.23) v5(86.72,55.78) v5(87,57.05) v5(87.05,51.75) v5(87.25,52.84) v5(95.83,52.66) v5(97.38,51.19) v5(97.92,52.2) v5(98.98,52.94) v5(102.74,57) v5(102.77,52.56) v5(106.58,59.09) v5(106.81,42.58) v5(108.53,59.09) v5(108.94,41) v5(108.94,40.11) v5(108.97,39.12) v5(109.83,39.12) v5(110.41,59.01) v5(110.54,39.12) v5(112.27,59.06) v5(114.25,59.19) v5(115.14,57.99) v5(116.1,55.33) v6(102.21,30.66) v9(46.09,54.11) v9(46.09,52.92) v9(46.1,51.78) v9(46.09,50.62) v9(47.04,54.08) v9(47.03,52.89) v9(47.05,51.75) v9(47.03,50.59) v9(47.96,54.07) v9(47.96,52.88) v9(47.97,51.74) v9(47.96,50.58) v9(48.9,54.06) v9(48.89,52.87) v9(48.91,51.73) v9(48.89,50.57)
